# KiCad board hw-openmower-yardforce.kicad_pcb (continued)
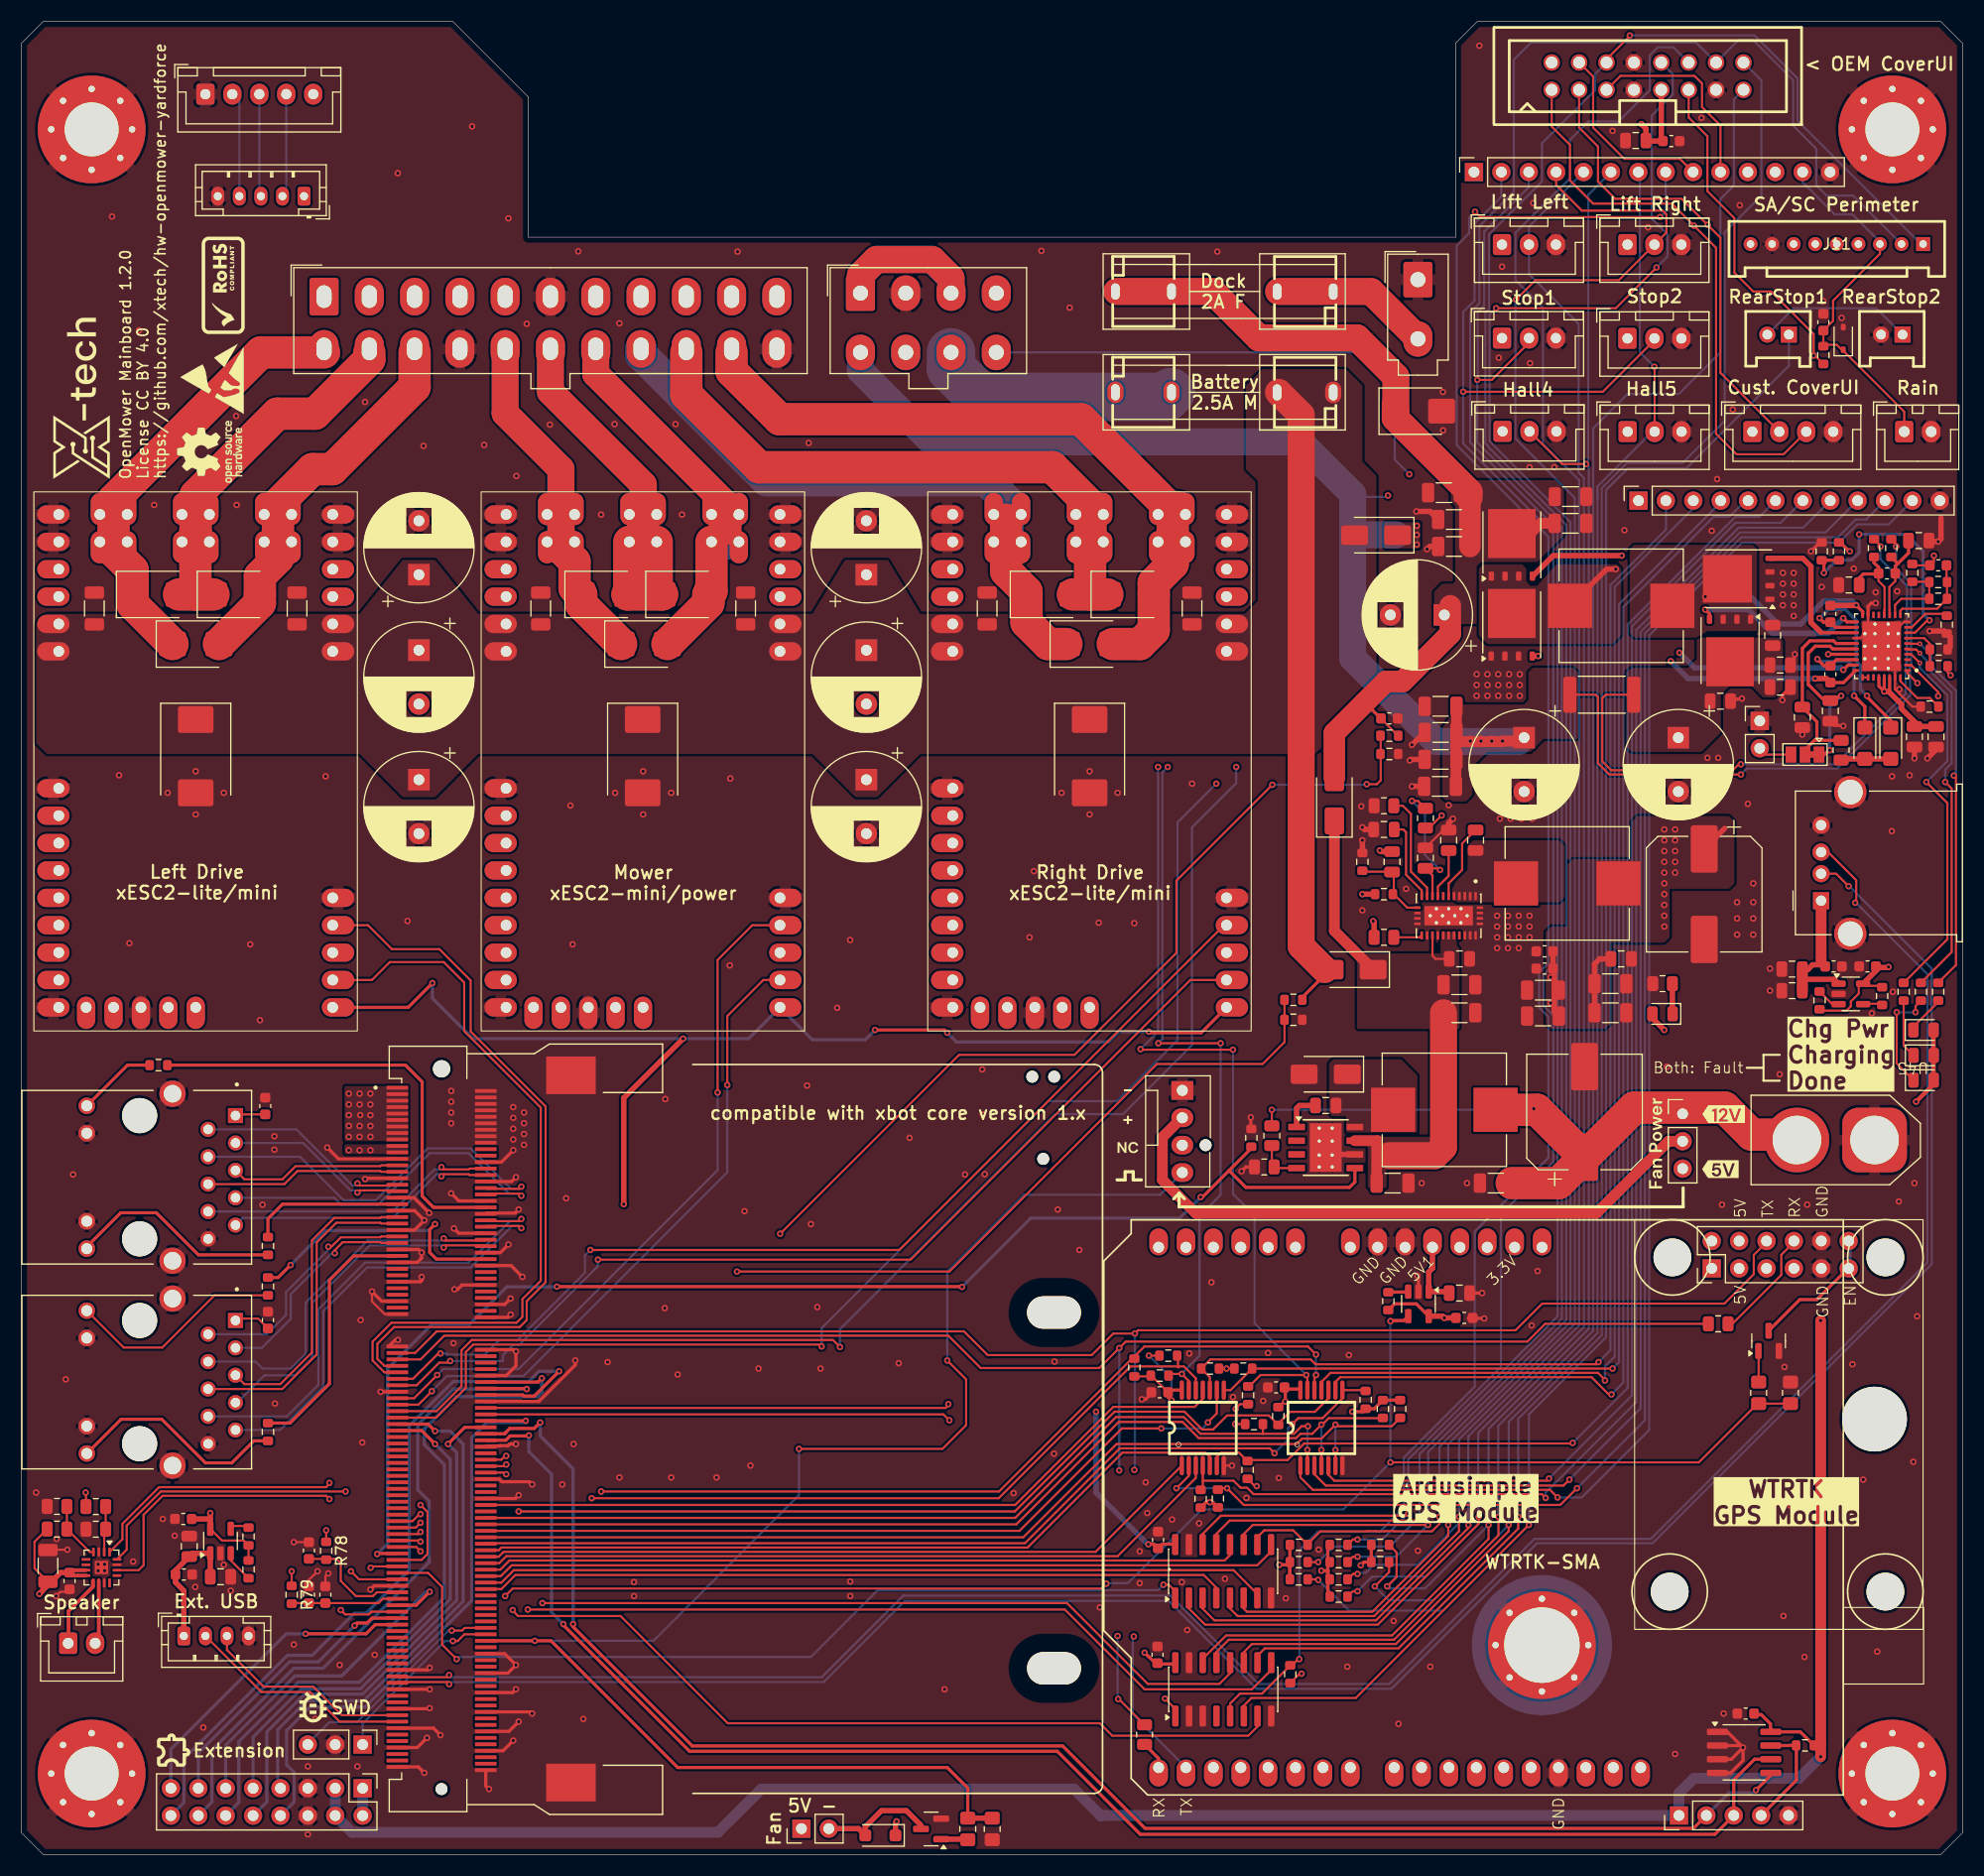
[diagram p0: board, top side]
## Routing (per net, layer and track width the routed paths; a pad name or vN(x,y) marks a point on that pad's centre or on a via; arc(x,y) is an arc through that point) (continued)
/SPI2.MOSI: length 62.4
  Top w0.3: J26.86 46.8,43.22 v1(46.85,43.16)
  Bottom w0.3: J32.14 17.65,4.86 17.65,9.66 25.25,17.26 27.95,17.26 37.8,27.12 37.8,32.76 36.75,33.81 36.75,39.87 40.05,43.16 v1(46.85,43.16)
/SPI2.SCK: length 71.1
  Top w0.3: J26.88 46.48,42.62 46.58,42.51 47.55,42.51 v1(49.85,44.81)
  Bottom w0.3: v1(49.85,44.81) 47.98,44.81 47.03,43.87 40.04,43.87 35.95,39.77 35.95,26.37 31.95,22.37 30.85,22.37 26.95,18.47 24.65,18.47 15.05,8.86 15.05,4.8 J32.16
/STM_SWCLK: length 21
  Top w0.2: J26.160 41.1,21.01 40.85,20.76 v1(39.9,20.76)
  Bottom w0.2: 26.55,10.26 28.55,12.26 31.09,12.26 39.59,20.76 v1(39.9,20.76)
/STM_SWDIO: length 16.8
  Top w0.2: v1(40,19.79) 40.44,19.79 41.06,20.41 J26.162
  Bottom w0.2: v1(40,19.79) 39.27,19.79 31.62,12.14 J31.1
/UART1.RX: length 67.7
  Top w0.2: U8.12 32.49,81.1 34.15,82.77 39.15,82.77 41.05,80.86 41.05,76.36 48.15,69.27 48.15,53.21 46.45,51.51 46.45,49.87 45.9,49.31 34.3,49.31 32.55,47.56 32.55,45.81 33.65,44.72 J26.81
/UART1.TX: length 68.3
  Top w0.2: J26.79 33.65,45.31 33,45.97 33,47.37 34.55,48.91 46.2,48.91 46.85,49.56 46.85,51.31 48.6,53.06 48.6,69.38 41.65,76.33 41.65,81.06 38.75,83.97 34.35,83.97 32.13,86.18 U8.14
/UART2.RX: length 60.3
  Top w0.2: v1(38.05,42.97) 36.8,41.72 J26.91 ; v1(65.45,71.36) 65.45,77.77 68.79,81.1 U9.12
  Bottom w0.2: v1(38.05,42.97) 39.46,44.37 46.56,44.37 65.45,63.27 v1(65.45,71.36)
/UART2.TX: length 65.1
  Top w0.2: U9.14 67.77,86.18 64.55,82.97 v1(64.55,70.66) ; v1(38.55,44.47) 36.4,42.31 J26.89
  Bottom w0.2: v1(64.55,70.66) 64.55,63.47 46.11,45.02 39.11,45.02 v1(38.55,44.47)
/UART4.RX: length 93.1
  Top w0.2: J26.85 36.64,43.51 38.74,45.62 39.6,45.62 v1(39.75,45.76) ; U10.12 108.39,81.1 82.45,55.16 v1(53.45,55.16)
  Bottom w0.2: v1(39.75,45.76) 44.65,45.76 44.65,46.31 45.6,47.26 46.15,47.26 53.45,54.56 v1(53.45,55.16)
/UART4.TX: length 95.1
  Top w0.2: v1(38.85,46.47) 38.65,46.47 36.3,44.12 J26.83 ; 111.52,86.18 81.4,56.06 v1(52.75,56.06)
  Bottom w0.2: v1(52.75,56.06) 52.25,55.56 52.25,53.97 45.95,47.66 44.25,47.66 42.95,46.37 39.5,46.37 39.4,46.47 v1(38.85,46.47)
/UART6.RX: length 161.9
  Top w0.2: R59.2 101.76,14.41 v1(101.7,14.41) ; R58.2 141.3,49.22 139.65,47.56 102.4,47.56 v1(101.8,46.97) 99.95,45.12 88.95,45.12 85.95,48.12 39.2,48.12 37,45.91 J26.77
  In2.Cu-PWR-SIG w0.2: v1(101.8,35.62) 102.3,35.12 102.3,20.91 v1(101.65,20.26)
  Bottom w0.2: v1(101.8,46.97) v1(101.8,35.62) ; v1(101.7,14.41) 101.65,14.47 v1(101.65,20.26)
/UART6.TX: length 177
  Top w0.2: J26.75 36.5,46.51 38.5,48.51 87.4,48.51 89.6,46.31 99.25,46.31 101.25,48.31 v1(103.25,48.31) 103.55,48.62 138.55,48.62 141.03,51.09 157.92,51.09 160.65,53.81 160.65,55.61 161.94,56.9
  In2.Cu-PWR-SIG w0.2: v1(103.2,35.66) 103.2,35.51 102.75,35.06 102.75,20.87 103.15,20.47 v1(103.15,20.22)
  Bottom w0.2: XA1.D1 103.05,13 103.05,19.97 103.15,20.06 v1(103.15,20.22) ; v1(103.25,48.31) 103.25,35.72 v1(103.2,35.66)
/UART7.RX: length 250.7
  Top w0.2: J5.1 141.91,160.25 143.6,158.56 143.6,155.26 145.75,153.12 153.05,153.12 v1(155.1,151.06) 157.15,149.01 157.15,131.76 159.05,129.87 163.42,129.87 J19.3 ; J26.95 38.45,40.51 41.2,43.26 41.2,46.6 41.89,47.29 74.03,47.29 v1(74.2,47.12)
  In2.Cu-PWR-SIG w0.2: v1(110.8,99.31) 111.95,99.31 125.45,112.82 125.45,125.81 129.25,129.62 163.17,129.62 J19.3 ; J6.11 155.32,151.26 155.3,151.26 v1(155.1,151.06)
  Bottom w0.2: v1(110.8,99.31) 107.2,95.72 107.2,75.52 101.55,69.86 95.25,69.86 74.2,48.81 v1(74.2,47.12)
/UART7.TX: length 240.9
  Top w0.2: J5.3 144.45,160.16 146.2,158.41 146.2,155.16 147.8,153.56 153.95,153.56 v1(156.38,151.14) 157.55,149.97 157.55,137.43 J19.2 ; J26.93 38.48,41.12 40.8,43.43 40.8,46.76 41.75,47.72 75.25,47.72 v1(75.9,47.06)
  In2.Cu-PWR-SIG w0.2: v1(112.65,100.86) 112.93,100.86 125,112.93 125,125.97 129.15,130.12 161.17,130.12 J19.2 ; v1(156.38,151.14) 159.2,153.97 160.56,153.97 J6.12
  Bottom w0.2: v1(112.65,100.86) 112.65,99.36 108.55,95.27 108.55,75.06 102.15,68.66 95.85,68.66 75.9,48.72 v1(75.9,47.06)
/UART8.RX: length 47.3
  Top w0.3: v1(38.35,38.06) 37.1,39.31 J26.99
  Bottom w0.3: v1(38.35,38.06) 39.75,36.66 39.75,23.68 31.44,15.37 25.95,15.37 21.47,10.88 J32.9
/UART8.TX: length 48.4
  Top w0.3: v1(38.35,39.26) 37.7,39.91 J26.97
  Bottom w0.3: v1(38.35,39.26) 39.75,39.26 40.95,38.06 40.95,23.47 31.75,14.26 26.45,14.26 23.75,11.56 23.75,6.75
/USB_EXT.N: length 21.1
  Top w0.2: J26.189 29.5,12.31 26.75,15.06 22.25,15.06 J4.2
/USB_EXT.P: length 19.6
  Top w0.2: J26.187 29.7,12.91 27.05,15.56 22.45,15.56 19.05,18.97 J4.3
/V_CHARGE: length 140.3
  Top w0.2: 178.62,110.22 178.62,109.64 v1(178.9,109.36) ; 126.05,105.36 127.65,103.77
  Top w0.3: U27.34 173.25,107.97 173.15,107.86 ; 126.05,105.36 124.57,106.84 ; U27.32 172.25,108.36 v1(172.75,107.86) U27.33
  Top w0.5: C80.1 C79.1 175.55,105.06 174.35,106.27 174.35,106.66 173.15,107.86 v1(172.75,107.86)
  Top w1: 139.91,122.52 140.86,123.46 142,123.46
  Top w2: 134.25,125.86 134.32,125.79 C38.1 ; 132.5,115.81 132.5,113.22 128.07,108.79 126.53,108.79 121.75,104.02 D28.2
  Top w2.5: 134.25,125.86 134.25,126.36 127.4,133.22 D4.1 127.45,133.92 127.45,137.06 123.85,140.66 114.75,140.66 110.45,144.97 101.57,144.97
  In2.Cu-PWR-SIG w0.3: v1(178.9,109.36) 174.03,109.36 172.75,108.09 v1(172.75,107.86)
  In2.Cu-PWR-SIG w0.5: 132,114.91 135.35,114.91 141.7,108.56 160.45,108.56 162.95,106.06 171.95,106.06 172.75,106.86 v1(172.75,107.86)
Net-(D1-K): length 2.8
  Top w0.5: R19.1 153.1,77.99
Net-(D2-A): length 4.5
  Top w0.5: 168.86,101.61 D26.2 D2.2
Net-(D2-K): length 19.1
  Top w0.3: v1(171.15,107.47) 171.15,107.36 173.35,105.16 D2.1 ; v1(166.75,114.66) 167.12,114.29 C48.2 168.22,113.81 U27.20
  Bottom w0.3: v1(166.75,114.66) 167.55,115.47 169.15,115.47 170.15,114.47 170.15,110.66 170.55,110.27 170.55,108.06 v1(171.15,107.47)
Net-(D5-K): length 5.5
  Top w0.2: R34.1 174.55,75.03 D5.1
Net-(D6-K): length 10
  Top w0.2: v1(175.65,78.11) 175.65,78.69 R35.1 ; D6.1 173.9,73.38 v1(173.9,78.11)
  Bottom w0.2: v1(175.65,78.11) v1(173.9,78.11)
Net-(D22-A): length 10.8
  Top w0.5: 83.41,2.7 82.05,4.06 79.75,4.06 78.25,2.56 D22.2 77.62,2.39 M1.2
Net-(D26-K): length 13.8
  Top w0.3: U27.26 168.32,110.81 C76.2 167.17,110.24 v1(166.55,110.86) ; D26.1 170.95,106.47 v1(169.95,107.47)
  Bottom w0.3: v1(166.55,110.86) 166.75,110.66 169.41,110.66 169.95,110.12 v1(169.95,107.47)
Net-(D29-K): length 3.3
  Top w0.2: 177.75,79.06 175.45,76.77
Net-(J2-Pin_1): length 25.5
  Top w2.5: J2.3 86.2,146.2 84.49,147.91 79.25,147.91 77.8,146.46 J2.1
  Bottom w2.5: J2.1 77.8,146.47 79.3,147.97 84.35,147.97 86.2,146.12 J2.3
Net-(J2-Pin_7): length 46.4
  In2.Cu-PWR-SIG w4.5: J2.7 86.2,137.84 89.03,135.01 105.97,135.01 106.57,135.62
  Bottom w4.5: 106.57,135.62 106.15,135.19 88.85,135.19 86.2,137.84 J2.7
Net-(J3-Pin_2): length 14.7
  Top w2.5: 129.5,140.62 125.15,144.97 116.57,144.97
Net-(J4-Pin_1): length 12.5
  Top w0.5: J4.1 15.05,24.47 14.27,25.24 14.27,26.35 C6.1 15.85,27.93 U2.1 C7.1
Net-(J23-P1): length 3.2
  Top w0.2: C22.2 21.94,49.7 20.01,49.7
Net-(J23-Pad11): length 20.2
  Top w0.2: J23.11 9.47,47.01 13.05,47.01 17.89,51.86 R11.2
Net-(J23-Pad14): length 20.6
  Top w0.3: J23.14 9.23,40.37 13,40.37 17.05,36.31 19.5,36.31 21.54,38.36 R12.2
Net-(J24-P1): length 2.5
  Top w0.2: 22.54,68.64 20.08,68.64
Net-(J24-Pad11): length 7.4
  Top w0.3: J24.11 9.83,73.21 R13.2
Net-(J24-Pad14): length 19.7
  Top w0.3: 6.05,56.37 9.2,59.51 12.5,59.51 16.41,55.61 R14.2
Net-(J27-Pin_1): length 14.6
  Bottom w0.2: J40.2 164.35,143.41 172,143.41 J27.1
Net-(J28-VBUS): length 13.9
  Top w0.5: 167.12,82.52 166.1,82.52 165.7,82.11 ; U1.1 168.11,81.16 165.3,81.16 165.15,81.31 ; 165.7,82.11 C4.1 165.7,82.11
  Top w1: C4.1 C3.1 ; 166.89,88.41 166.89,82.77
Net-(J33-Pin_2): length 58.2
  Top w1: 153.45,66.15 152.73,66.15 146.05,59.47 108.9,59.47 105.8,62.56 105.8,66.52 107.61,68.33
Net-(JP1-B): length 3.1
  Top w0.2: JP1.3 161.78,102.02 TP1.2
Net-(Q1-D): length 12.3
  Top w0.3: 169.39,54.36 166.5,51.47 164.92,51.47 Q1.3
  Bottom w0.3: 169.56,56.9 169.56,54.36
Net-(Q1-G): length 2.9
  Top w0.2: R25.2 161.1,46.67
Net-(Q4-G): length 2.4
  Top w0.5: Q4.1 87.7,1.41
Net-(Q6-G): length 37.5
  Top w0.3: v1(168.95,109.86) 169.4,110.31 U27.27
  Top w0.5: Q6.4 140.15,118.56 142.05,120.47 v1(148.4,120.47)
  In2.Cu-PWR-SIG w0.5: v1(153.75,111.47) 151.3,113.91 151.3,117.61 148.45,120.47 v1(148.4,120.47)
  Bottom w0.5: v1(168.95,109.86) 168.75,110.06 155.15,110.06 v1(153.75,111.47)
Net-(Q7-D): length 34.8
  Top w0.3: U27.28 168.97,108.69 C76.1
  Top w0.5: C76.1 167.38,109.06 v1(166.35,109.06) ; v1(147.85,119.22) 147,119.22 L4.1
  In2.Cu-PWR-SIG w0.5: v1(147.85,119.22) 147.9,119.22 150.35,116.77 150.35,113.27 v1(152.95,110.66)
  Bottom w0.5: v1(166.35,109.06) 154.55,109.06 v1(152.95,110.66)
Net-(Q7-G): length 32.1
  Top w0.3: v1(167.55,111.31) U27.25
  Top w0.5: v1(140.65,111.15) Q7.4
  In2.Cu-PWR-SIG w0.5: v1(140.65,111.15) 140.72,111.15 142.4,109.47 158.75,109.47 161.4,112.11 166.75,112.11 v1(167.55,111.31)
Net-(Q8-D): length 56
  Top w0.2: v1(159.45,101.11) 159.25,101.11 158.7,100.56 147.42,100.56 146.6,101.39 146.6,107.24 146.92,107.56 R67.2 ; v1(172.4,121.31) 172.4,121.39 R68.1
  Bottom w0.2: v1(172.4,121.31) 172.4,120.11 174.85,117.66 174.85,110.56 174.75,110.46 174.75,107.66 168.2,101.11 v1(159.45,101.11)
Net-(Q8-G): length 16.6
  Top w0.3: U27.19 169.3,114.31 v1(168.95,114.66) ; v1(156.15,115.47) 156.54,115.07 Q8.4
  Bottom w0.5: v1(168.95,114.66) 167.55,113.27 162.35,113.27 160.15,115.47 v1(156.15,115.47)
Net-(Q9-D): length 22
  Top w0.3: v1(170.15,115.86) 170.75,115.27 U27.18
  Top w0.5: C48.1 170.12,115.84 v1(170.15,115.86) ; 157.8,118.31 v1(156.15,116.66)
  Bottom w0.5: v1(170.15,115.86) 169.75,116.27 167.15,116.27 165,114.11 162.9,114.11 160.35,116.66 v1(156.15,116.66)
Net-(Q9-G): length 13.9
  Top w0.3: U27.21 166.9,113.31 166.85,113.36
  Top w0.5: Q9.4 165.19,120.22 165.95,119.47 165.95,114.27 166.85,113.36
Net-(R54-Pad1): length 155.1
  Top w0.2: v1(124.75,99.27) 125.69,99.27 126.05,99.62 126.05,103.74 ; v1(116,99.22) 107.1,90.31 107.1,83.61 97.65,74.16 86.95,74.16 v1(70.35,57.56) ; v1(25.05,26.26) R79.1
  In1.Cu-GND w0.2: v1(25.05,26.26) 25.05,22.66 26.25,21.47 30.05,21.47 30.65,22.06 48.85,22.06 70.35,43.56 v1(70.35,57.56)
  Bottom w0.2: v1(116,99.22) 124.7,99.22 v1(124.75,99.27)
Net-(R56-Pad1): length 132.6
  Top w0.2: R56.1 117.12,75.34 115.1,73.31 105.3,73.31 86.05,54.06 v1(66.35,54.06) ; v1(28.25,30.06) R78.1
  In1.Cu-GND w0.2: v1(66.35,54.06) 66.35,42.66 47,23.31 31.1,23.31 29.85,22.06 27.55,22.06 26.35,23.26 26.35,26.76 28.25,28.66 v1(28.25,30.06)
Net-(U1-EN): length 1.3
  Top w0.2: 172.43,78.91 171.15,78.91
Net-(U1-~{FLT}): length 2.2
  Top w0.2: U1.3 167.92,78.86 R3.2
Net-(U2-EN): length 1.3
  Top w0.2: 19.55,30.47 20.9,30.47
Net-(U2-~{FLT}): length 3
  Top w0.2: U2.3 19.4,27.27 R4.2
Net-(U3-GAIN_SLOT): length 4.1
  Top w0.2: R7.2 R8.1 ; 7.66,30.03 U3.2
Net-(U3-~{SD_MODE}): length 5.4
  Top w0.2: U3.4 6.33,28.05 R5.2 R6.1
Net-(U4-BOOT): length 3.6
  Top w0.5: U4.1 118.25,69.22 118.5,69.46 C12.1
Net-(U4-VSENSE): length 3.8
  Top w0.2: R44.2 115.95,63.98 ; U4.4 116.27,63.66
Net-(U5-BOOT): length 7.2
  Top w0.2: U5.6 132.35,90.06 133.6,91.31 133.6,93.76 C29.1
Net-(U5-FB): length 7.2
  Top w0.2: 127.26,90.95 127.26,89.06 128.51,87.81 U5.12 ; 124.44,91.15 127.06,91.15
Net-(U5-PGOOD): length 2.7
  Top w0.2: R16.1 129.67,85.06 U5.16
Net-(U5-RT): length 10.1
  Top w0.2: U5.10 130.35,89.66 128.85,91.16 128.85,96.52 128.1,97.27 R15.1
Net-(U5-SS/TRK): length 7.7
  Top w0.2: U5.11 129.85,89.41 128.4,90.86 128.4,94.81 128.15,95.06 C27.1
Net-(U5-VCC): length 4.6
  Top w0.2: U5.8 131.35,89.77 132.35,90.76 C28.2
Net-(U6-OUT): length 6
  Top w0.5: 132.26,52.2 U6.1 130.5,54.01 130.85,54.37 130.85,56.28
Net-(U6-~{FLT}): length 1.8
  Top w0.3: 126.78,52.16 128.56,52.16
Net-(U13-TXD): length 10.1
  Top w0.2: 158.67,49.22 163.2,53.75 163.2,55.62 164.48,56.9
Net-(U27-ACN): length 0.5
  Top w0.2: U27.30 U27.29
Net-(U27-FSW_SYNC): length 4.8
  Top w0.2: U27.36 174.25,108.81 175.8,107.27 176.97,107.27 R74.2
Net-(U27-ICHG): length 4
  Top w0.2: U27.9 175.3,113.81 176.55,115.06 178.38,115.06
Net-(U27-~{CE}): length 4.4
  Top w0.2: R21.2 R75.1 176.97,112.29 176.45,112.81 U27.7
Net-(XA1-TXD): length 2.7
  Top w0.3: R59.1 105.45,8.9 105.45,8.07

## Copper pours and planes (outline as drawn; the poured copper is in the pictures)
/3.3V on Top: 35.85,65.86 35.85,64.97 29.95,64.97 29.95,65.86
/5V on Top: 149.35,96.31 149.35,92.31 143.35,92.31 143.35,86.06 141.35,86.06 141.35,76.56 147.35,76.56 147.35,84.56 152.85,84.56 152.85,89.56 158.85,89.56 158.85,96.31
/5V on Top: 35.85,71.27 35.85,66.16 29.95,66.16 29.95,71.27
/5V on In2.Cu-PWR-SIG: 213.25,-4.24 217.35,202.06 -23.65,199.06 -37.15,-19.44
/VBATT on Top: 122.83,137.76 124.35,136.25 124.35,129.19 125.65,127.86 125.65,107.77 119.95,102.06 83.35,102.06 79.35,98.06 77.35,98.06 73.35,102.06 42.35,102.06 38.35,98.06 35.35,98.06 31.35,102.06 2.35,102.06 1.35,103.06 1.35,114.06 2.35,115.06 31.35,115.06 35.35,120.06 38.35,120.06 42.35,115.06 73.35,115.06 76.35,120.06 80.35,120.06 83.35,115.06 113.45,115.06 114.65,116.27 114.65,127.39 113.55,128.47 113.55,136.24 115.07,137.76
/VIN on Top: 124.85,66.56 124.85,61.81 126.6,61.81 126.6,63.56 131.1,63.56 131.1,66.56
/VIN on Top: 123.85,76.56 123.85,83.56 131.6,83.56 131.6,85.56 133.1,85.56 133.1,84.31 133.35,84.05 133.35,76.56
GND on Top, Bottom, In1.Cu-GND, In2.Cu-PWR-SIG: -21.9,182.31 -17.65,-9.69 196.1,-8.69 196.1,183.56
/Charger/V_BATT_CHARGE on Top: 143.85,110.06 144.35,109.66 144.35,103.47 141.15,103.47 139.95,102.27 135.95,102.27 134.55,100.86 134.55,98.27 133.95,97.66 132.15,97.66 131.75,98.06 131.75,104.47 132.55,105.66 133.15,106.66 139.35,106.66 139.75,107.06 139.75,109.66 140.15,110.06
/Charger/V_BATT_CHARGE on Top, Bottom: 126.38,123.56 129.7,123.56 129.7,121.14 126.38,121.14
/V_CHARGE on Top: 134.95,119.47 135.35,119.86 140.55,119.86 143.05,122.36 143.05,126.66 142.25,127.47 133.65,127.47 132.55,126.36 132.55,125.47 132.95,125.06 132.95,118.06 132.75,117.86 131.75,117.86 131,117.11 131,114.27 131.2,114.11 134.95,114.11
Net-(C29-Pad2) on Top: 134.1,92.31 134.1,91.31 132.6,89.81 132.6,88.31 143.1,88.31 143.1,94.06 134.11,94.06
Net-(D16-K) on Top: 129.45,66.97 122.85,66.97 122.85,68.36 122.75,68.47 121.55,68.47 121.25,68.77 121.25,73.36 121.65,73.77 127.95,73.77 129.45,72.27
Net-(Q7-D) on Top: 139.15,119.66 139.55,119.27 139.55,118.06 139.95,117.66 140.55,117.66 142.35,119.66 147.95,119.66 148.35,119.27 148.35,113.06 147.55,112.27 135.95,112.27 135.15,113.06 135.15,119.27 135.55,119.66
Net-(Q8-D) on Top: 155.35,112.66 155.35,110.86 154.55,110.06 149.35,110.06 148.85,109.66 148.85,102.66 149.35,102.27 155.8,102.27 157.6,104.06 157.6,107.56 158.4,108.36 160.45,108.36 161.5,107.31 162.6,107.31 163.35,108.06 163.35,112.56 163.05,112.86 155.75,112.86
Net-(Q9-D) on Top: 160.95,113.47 160.95,121.06 160.55,121.47 149.55,121.47 149.15,121.06 149.15,113.27 149.55,112.86 155.35,112.86 156.35,113.47

## Text on the board
B.Silkscreen: 5V | Hall3 | Hall1 | Hall4 | GND | Hall0 | Hall2 | Hall5 | TX | RStop | RX | Rain | Stop2 | Stop1 | Home | Sense | Rain- | RLift2 | Play | Stp1 | RLift | LLift | Stp2 | LLft2
F.Silkscreen: Both: Fault | GND | 5V1 | 3.3V | 5V | TX | RX | EN | OpenMower Mainboard 1.2.0 / License CC BY 4.0 / https://github.com/xtech/hw-openmower-yardforce | Extension | SWD | compatible with xbot core version 1.x | < OEM CoverUI | Left Drive / xESC2-lite/mini | Mower / xESC2-mini/power | Right Drive / xESC2-lite/mini | Dock / 2A F | Battery / 2.5A M | Speaker | Ext. USB | 5V - | Hall4 | Stop1 | Lift Left | WTRTK-SMA | Hall5 | Stop2 | Lift Right | RearStop1 | Cust. CoverUI | SA/SC Perimeter | RearStop2 | Rain | Fan | Chg Pwr / Charging / Done | Ardusimple / GPS Module | WTRTK / GPS Module
